# Altium PCB PCB v0.1.PcbDoc (part 1 of 2)
Units mm, origin at the board's own origin, x right, y up, seen from the top; angles counter-clockwise.
Board outline 36.5 x 36.5 mm, 4 copper layers (Top Layer, Mid Layer 1, Mid Layer 2, Bottom Layer), stack 1.17 mm thick; 152 components, 97 nets, 495 pads, 776 vias.
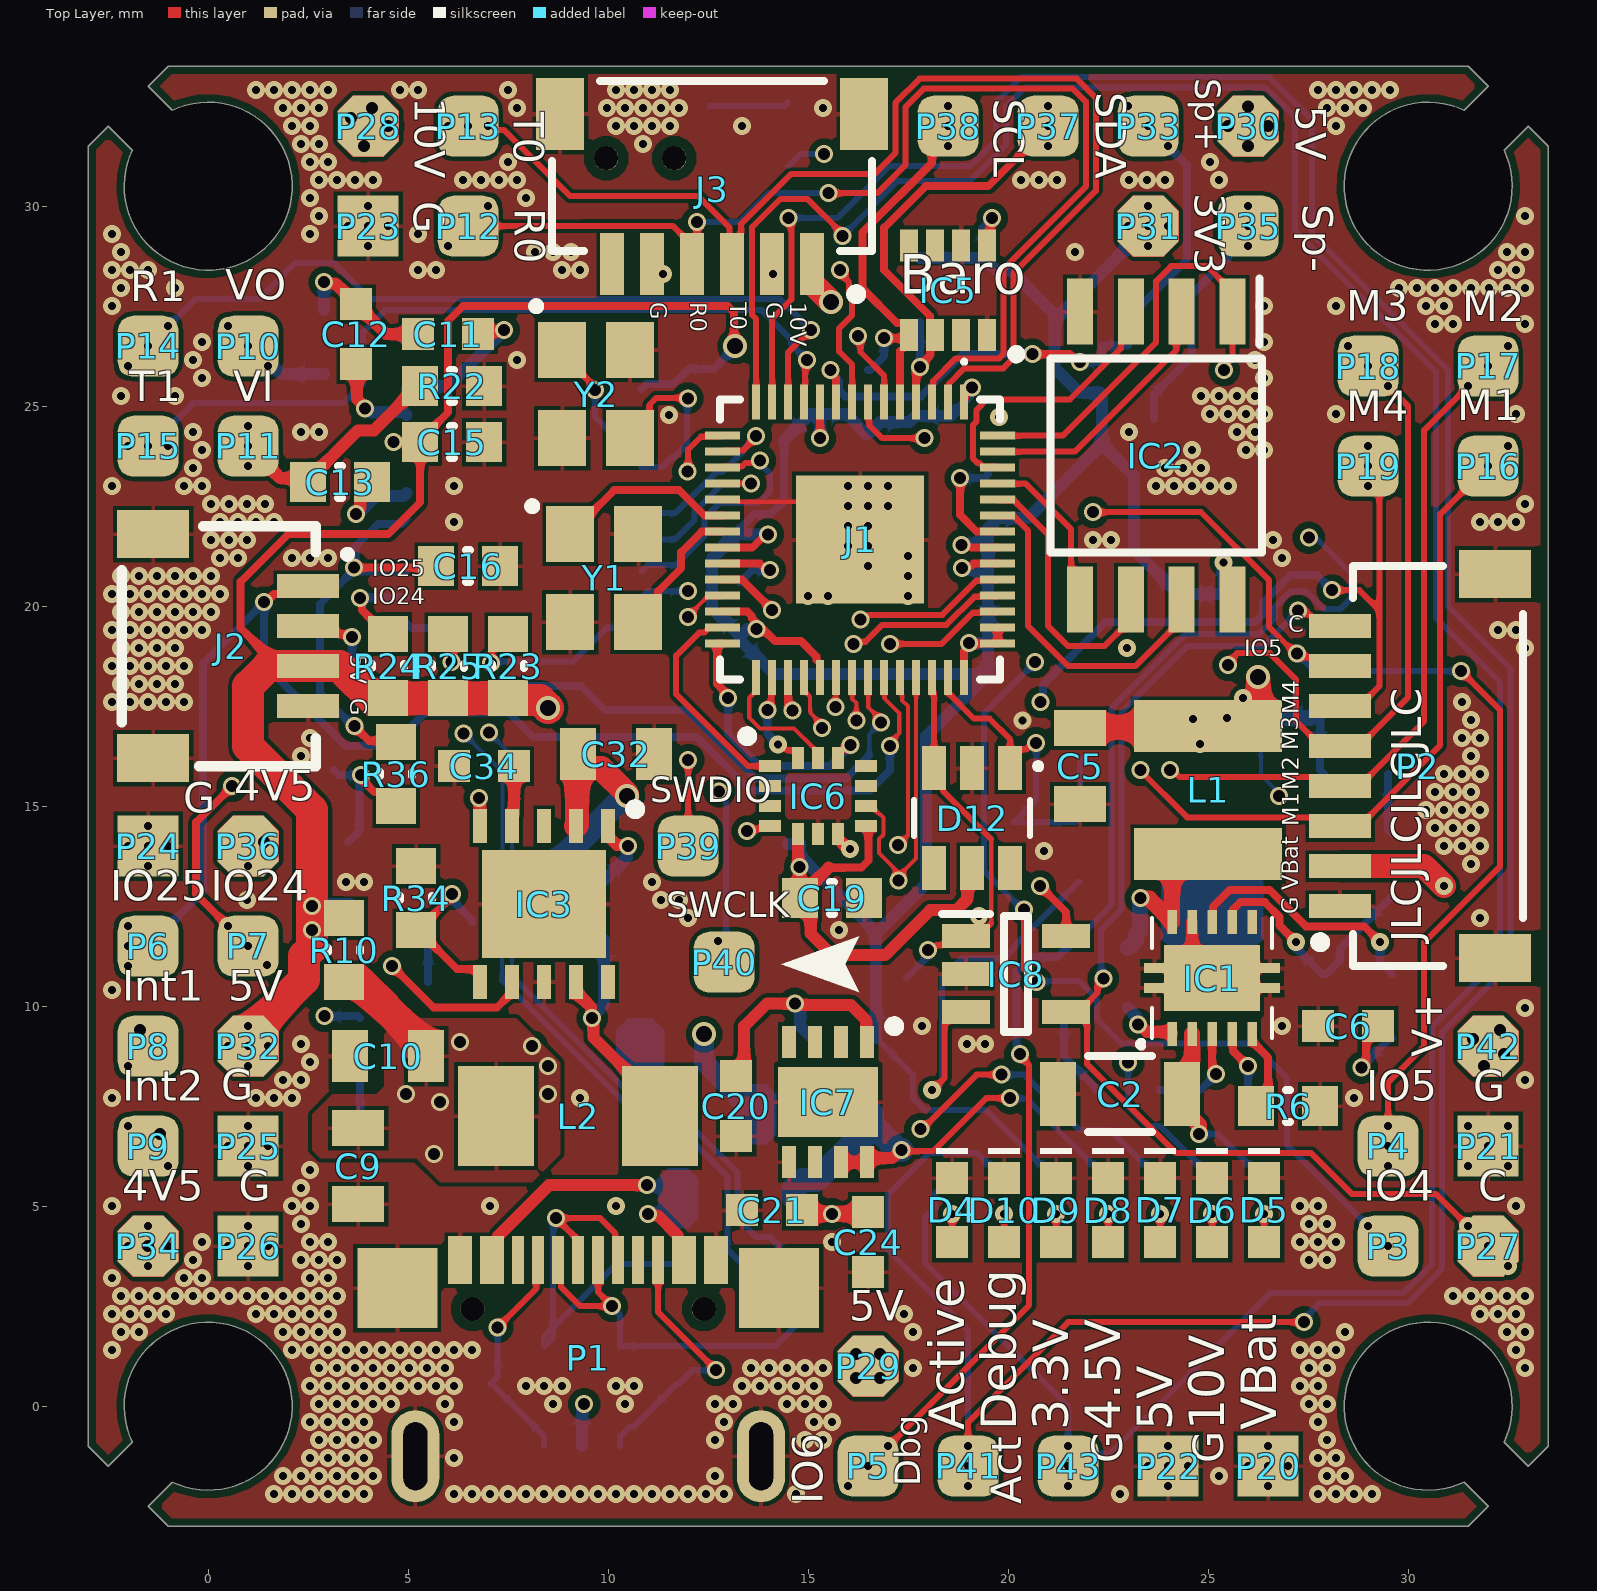
[diagram p0: Top Layer view]
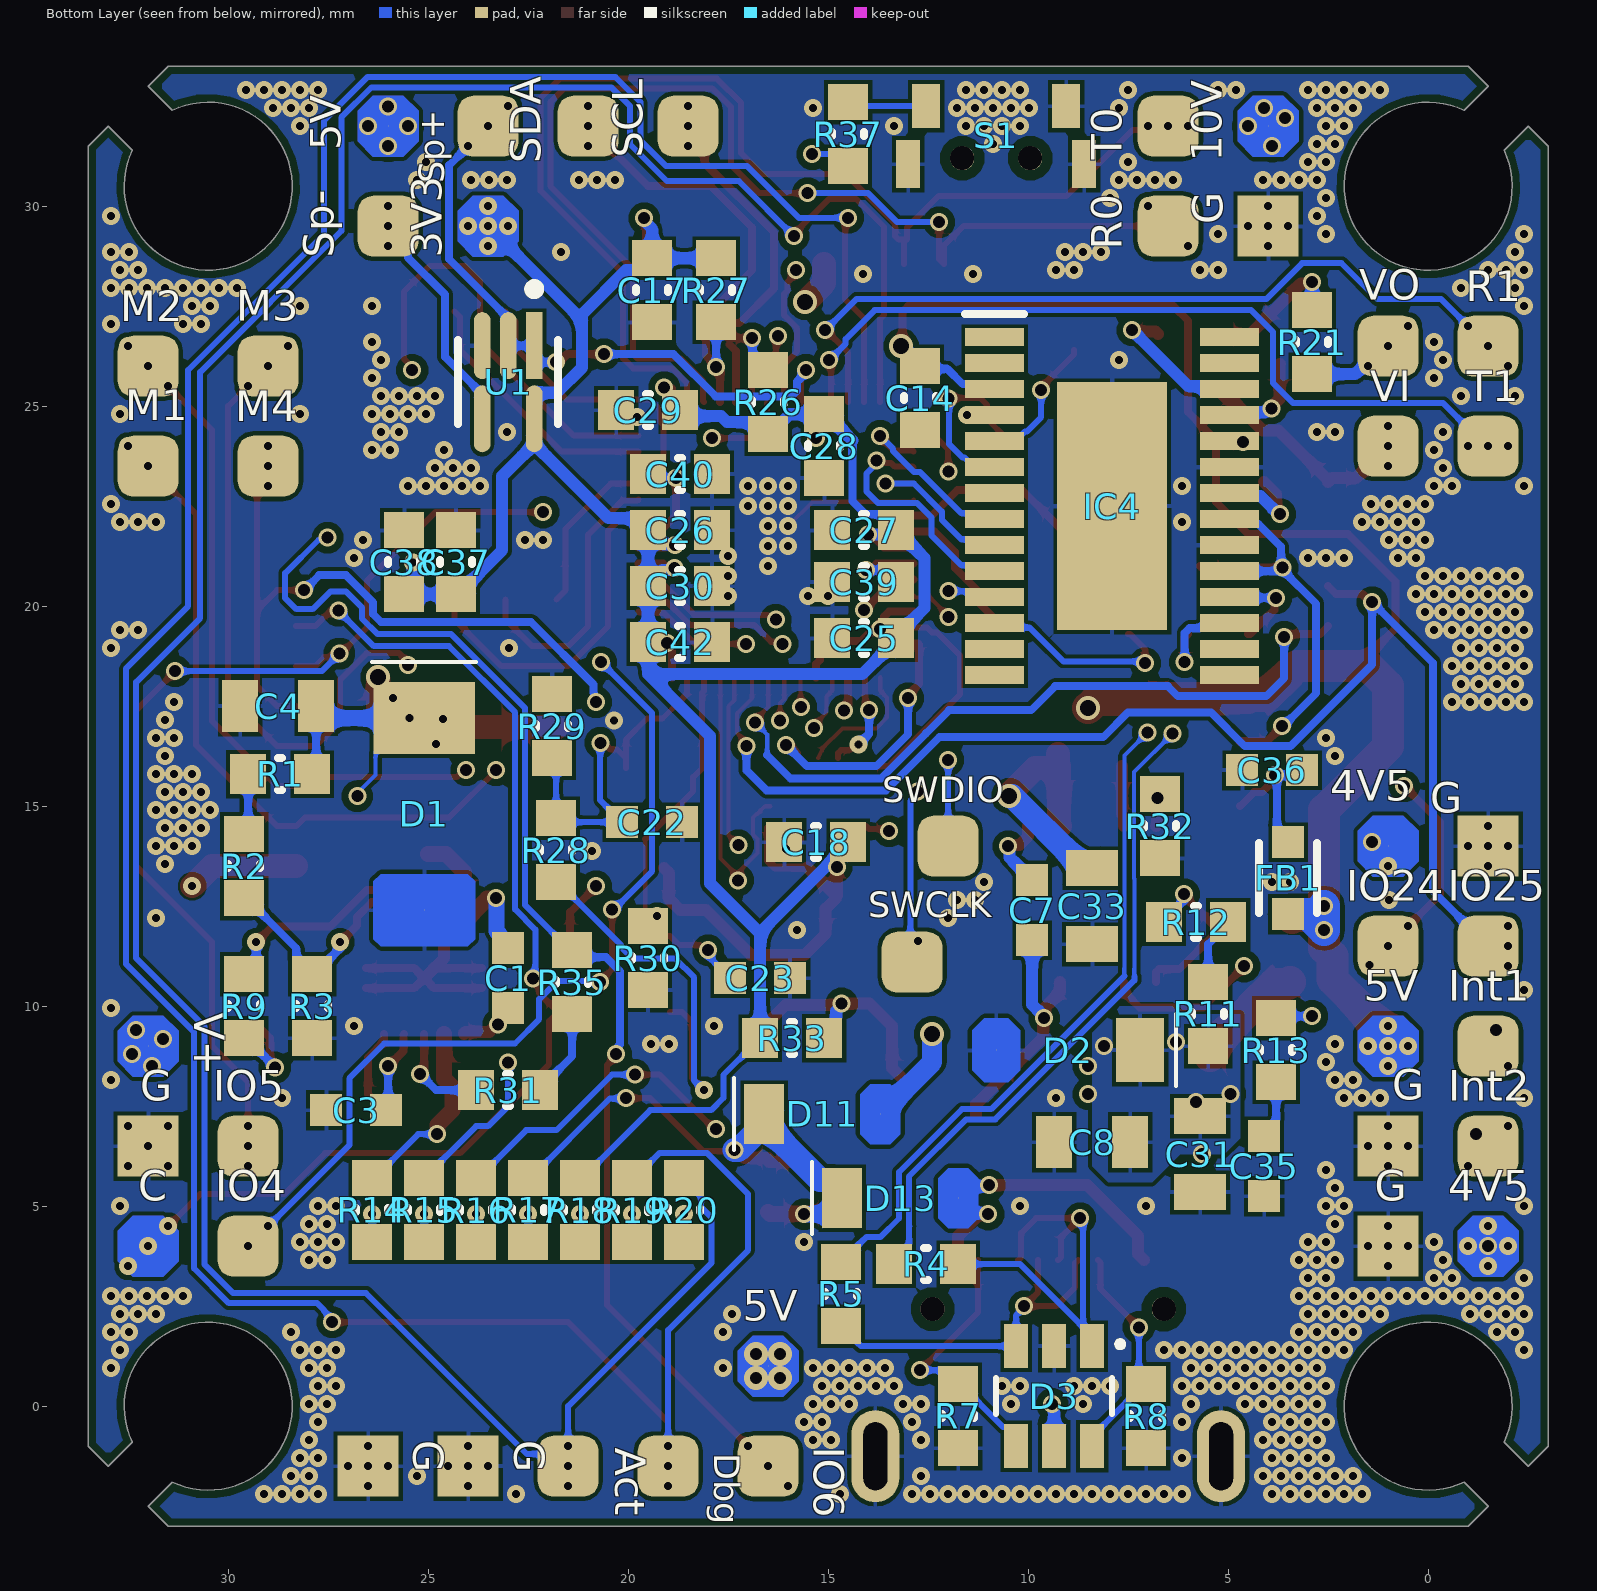
[diagram p1: Bottom Layer view, seen from below]
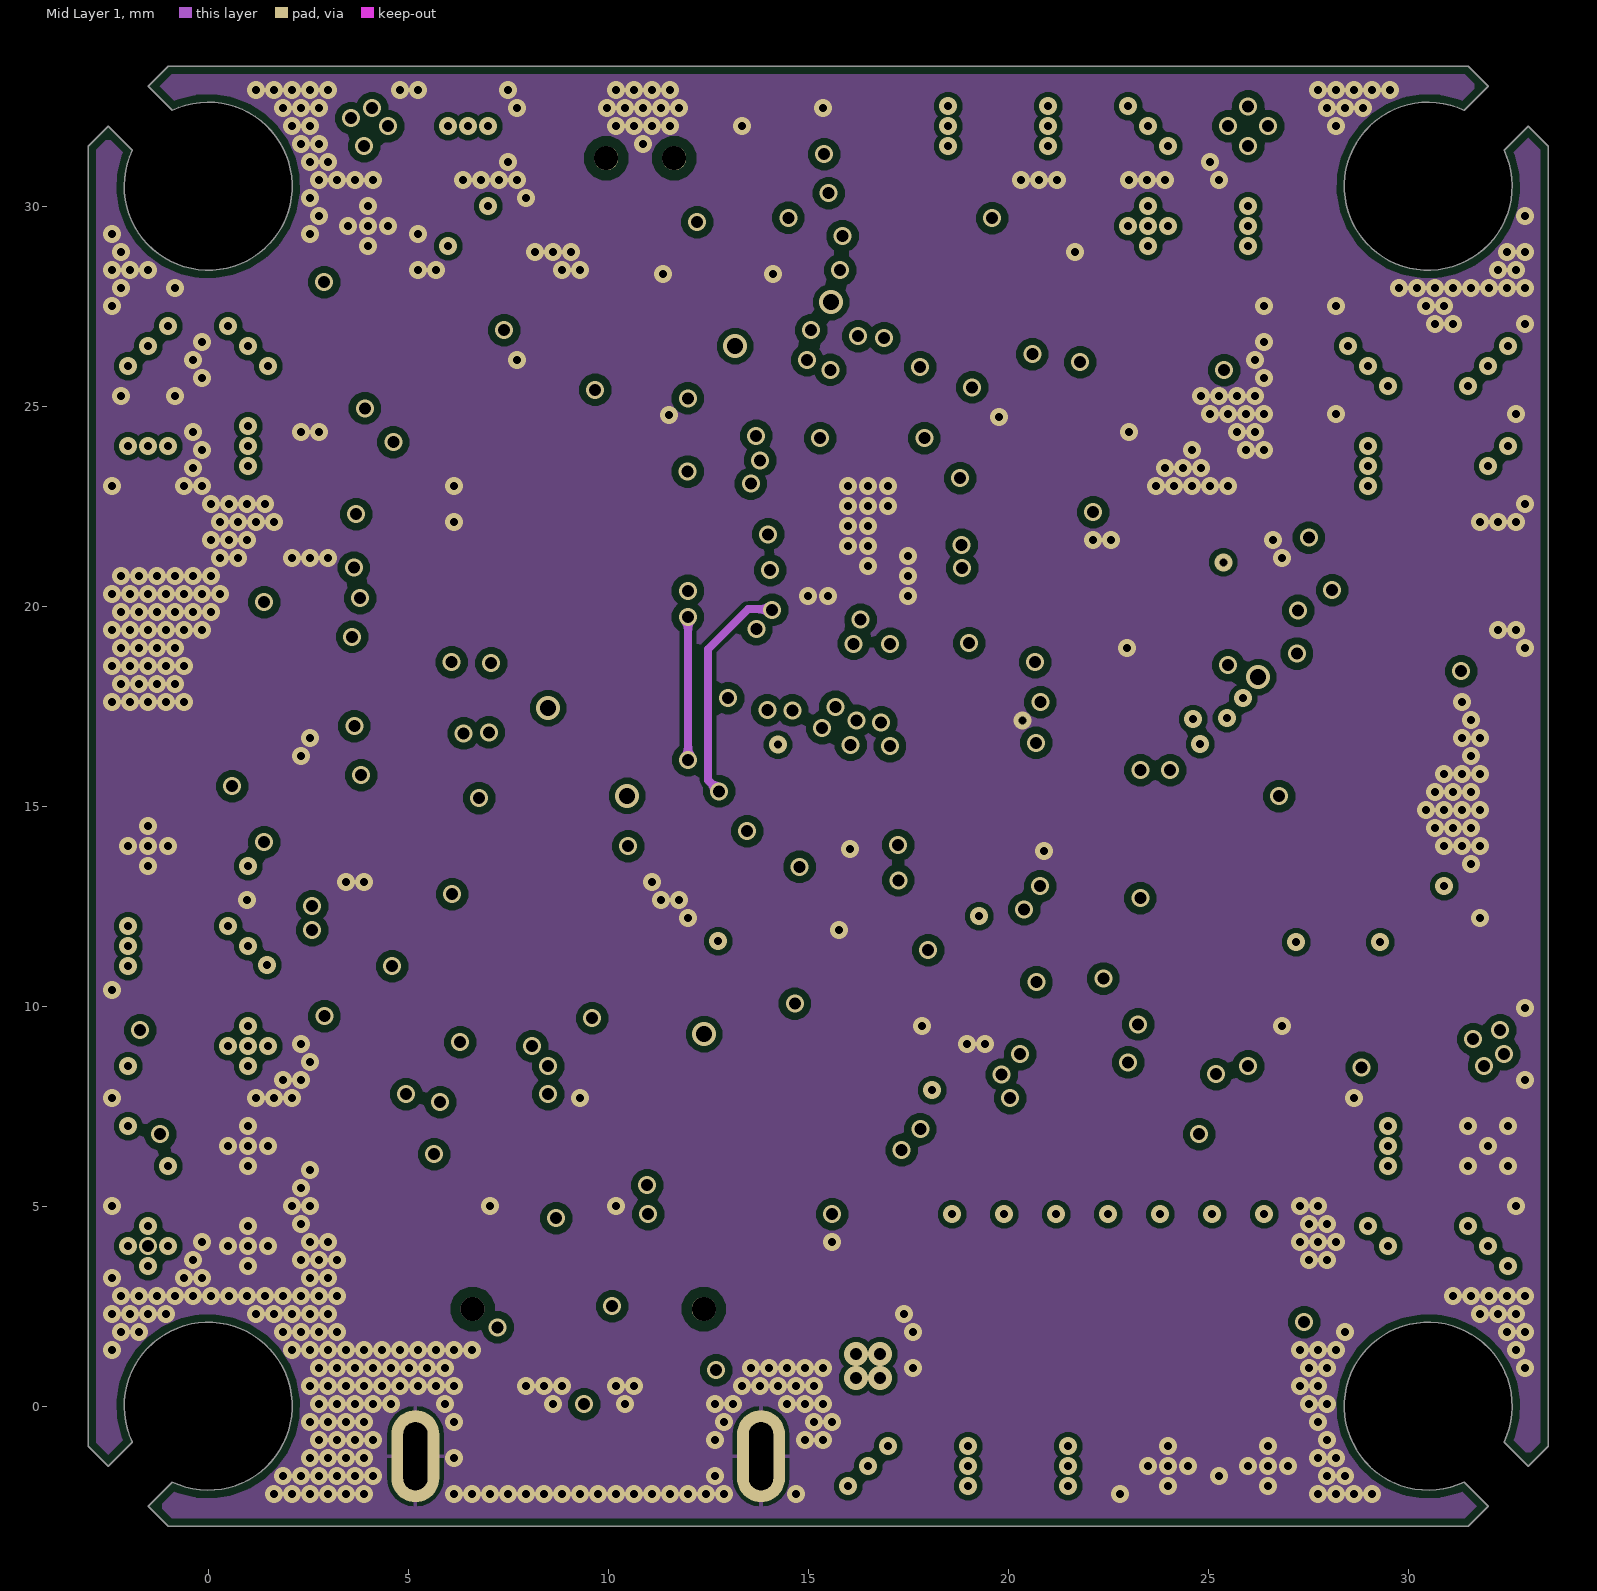
[diagram p2: Mid Layer 1]
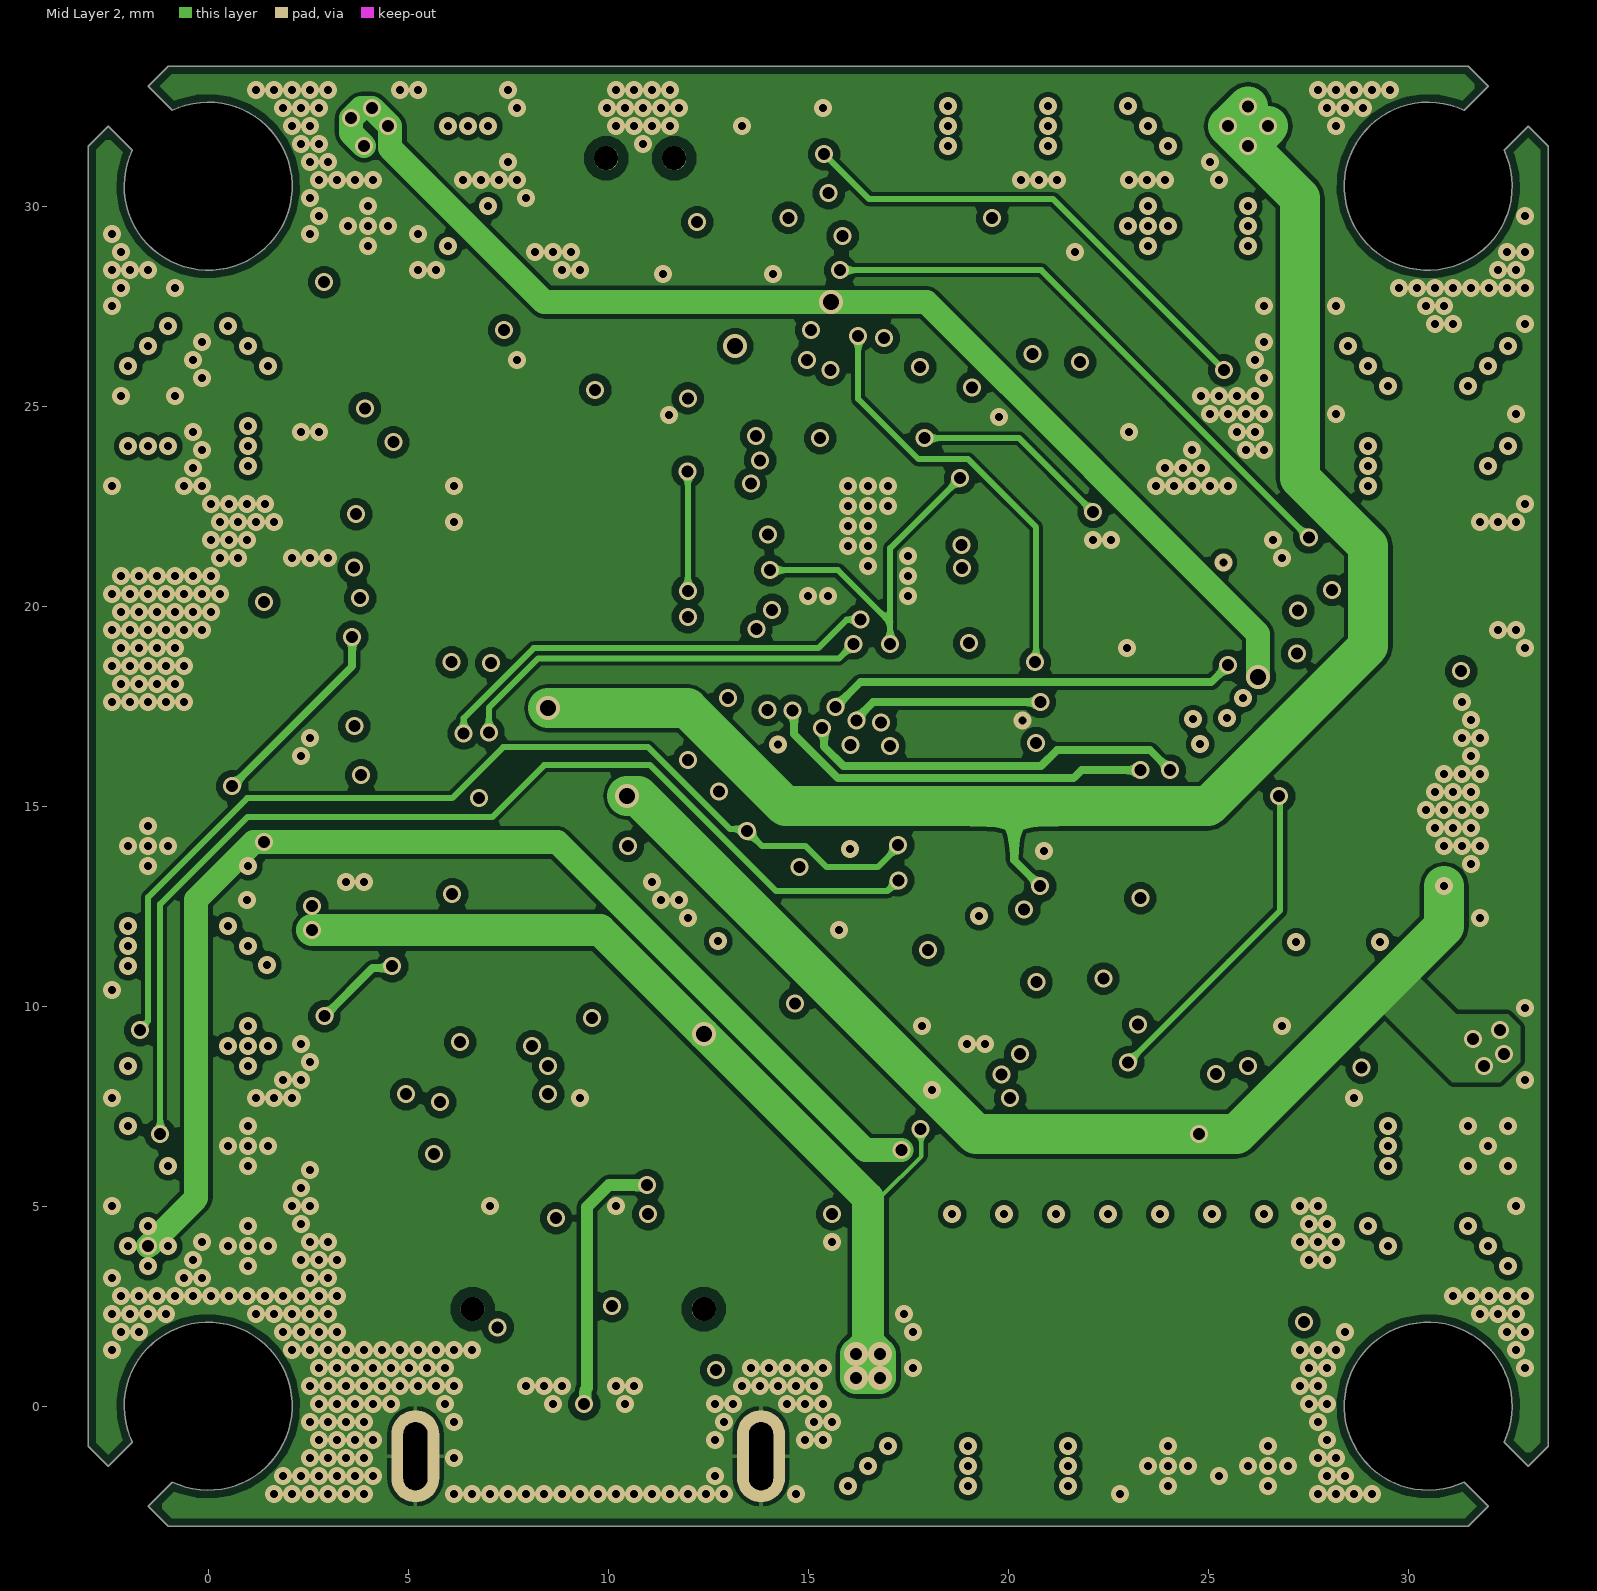
[diagram p3: Mid Layer 2]

## Layer stack, top to bottom
Top Solder: solder mask 0.0127, Solder Resist, Dk 3.8
Top Layer: signal copper 0.035
Dielectric 1: prepreg 0.2, 7628, Dk 4.6
Mid Layer 1: signal copper 0.0175
Core: core 0.665, FR-4, Dk 4.5
Mid Layer 2: signal copper 0.0175
Dielectric 2: prepreg 0.2, 7628, Dk 4.6
Bottom Layer: signal copper 0.035
Bottom Solder: solder mask 0.0127, Solder Resist, Dk 3.8

## Board outline
-1.5,-2.5 -1,-3 31.5,-3 32,-2.5 31.398,-1.898 cw(c30.5,0) 32.398,-0.898 33,-1.5 33.5,-1 33.5,31.5 33,32 32.398,31.398 cw(c30.5,30.5) 31.398,32.398 32,33 31.5,33.5 -1,33.5 -1.5,33 -0.898,32.398 cw(c0,30.5) -1.898,31.398 -2.5,32 -3,31.5 -3,-1 -2.5,-1.5 -1.898,-0.898 cw(c0,0) -0.898,-1.898

## Design rules (kind name [scope] priority, off if disabled: settings)
BoardOutlineClearance [All] p1: gap=0.2 ignorepadtopadclearanceinfootprint=FALSE
Clearance [All] p1: gap=0.102 ignorepadtopadclearanceinfootprint=FALSE except(0.127: Arc-Via Track-Via SMDPad-Via THPad-Via Via-Via Via-Fill Via-Poly Via-Region Via-Text; 0.25: Arc-Hole Track-Hole SMDPad-Hole THPad-Hole Via-Hole Fill-Hole Poly-Hole Region-Hole Text-Hole)
ComponentClearance [All] p1: gap=0.102 collisioncheckmode=3 verticalgap=0.102 showdistances=TRUE
DiffPairsRouting [All] p1: maxlimit=0.102 minlimit=0.102 mostfreqgap=0.102 toplayer_minwidth=0.102 toplayer_maxwidth=1816.048 toplayer_prefwidth=0.102 midlayer1_minwidth=0.102 midlayer1_maxwidth=1816.048 midlayer1_prefwidth=0.102 midlayer2_minwidth=0.102 midlayer2_maxwidth=1816.048 midlayer2_prefwidth=0.102 bottomlayer_minwidth=0.102 bottomlayer_maxwidth=1816.048 bottomlayer_prefwidth=0.102 maxuncoupledlength=12.7
Height [All] p1: minheight=0 maxheight=1816.048 prefheight=12.7
HoleSize [All] p1: absolutevalues=TRUE maxlimit=6.3 minlimit=0.2 maxpercent=80.000 minpercent=20.000
HoleToHoleClearance [All] p1: gap=0.25 allowstackedmicrovias=FALSE
MinimumAnnularRing [All] p1: minimumring=0.074
MinimumSolderMaskSliver [All] p1: minsoldermaskwidth=0
PlaneClearance [All] p1: clearance=0.102
PlaneConnect PlaneConnectPowerPads [InPadClass('PowerPads')] p1: planeconnectstyle=Direct reliefexpansion=0.508 reliefentries=4 reliefconductorwidth=0.254 reliefairgap=0.254
PlaneConnect [All] p2: pad.planeconnectstyle=Relief pad.reliefexpansion=0.3 pad.reliefentries=4 pad.reliefconductorwidth=0.102 pad.reliefairgap=0.102 via.planeconnectstyle=Direct via.reliefexpansion=0.3 via.reliefentries=4 via.reliefconductorwidth=0.127 via.reliefairgap=0.127
PolygonConnect PolygonConnectPowerPads [All vs (InPadClass('PowerPads'))] p1: connectstyle=Direct reliefconductorwidth=0.254 reliefentries=4 polygonreliefangle="90 Angle" airgapwidth=0.254
PolygonConnect [All] p2: thpad.connectstyle=Relief thpad.reliefconductorwidth=0.102 thpad.reliefentries=4 thpad.polygonreliefangle="90 Angle" thpad.airgapwidth=0.102 smdpad.connectstyle=Relief smdpad.reliefconductorwidth=0.102 smdpad.reliefentries=4 smdpad.polygonreliefangle="90 Angle" smdpad.airgapwidth=0.102 via.connectstyle=Direct via.reliefconductorwidth=0.127 via.reliefentries=4 via.polygonreliefangle="90 Angle" via.airgapwidth=0.127
RoomDefinition OSD [InComponentClass('OSD')] p1: confinementstyle=ConfineIn formatcopy=TRUE lockcomponents=FALSE outline 1.2,16.7 13.9,16.7 13.9,29.1 1.2,29.1
RoomDefinition Flash [InComponentClass('Flash')] p2: confinementstyle=ConfineIn formatcopy=TRUE lockcomponents=FALSE outline 27.2,18.6 27.2,29.1 20.4,29.1 20.4,18.6
RoomDefinition Barometer [InComponentClass('Barometer')] p3: confinementstyle=ConfineIn formatcopy=TRUE lockcomponents=FALSE outline 15,23.3 20.7,23.3 20.7,29.8 15,29.8
RoomDefinition "Voltage Regulators" [InComponentClass('Voltage Regulators')] p4: confinementstyle=ConfineIn formatcopy=TRUE lockcomponents=FALSE outline 2.433,2.5 30.5,2.5 30.5,18.75 2.433,18.75
RoomDefinition LEDs [InComponentClass('LEDs')] p5: confinementstyle=ConfineIn formatcopy=TRUE lockcomponents=FALSE outline 17.8,-0.9 27.2,-0.9 27.2,6.7 17.8,6.7
RoomDefinition USB [InComponentClass('USB')] p6: confinementstyle=ConfineIn formatcopy=TRUE lockcomponents=FALSE outline 2.75,-3.75 17.5,-3.75 17.5,5.45 2.75,5.45
RoomDefinition RP2040 [InComponentClass('RP2040')] p7: confinementstyle=ConfineIn formatcopy=TRUE lockcomponents=FALSE outline 7.3,15.4 21.7,15.4 21.7,26.6 7.3,26.6
RoomDefinition Gyro [InComponentClass('Gyro')] p8: confinementstyle=ConfineIn formatcopy=TRUE lockcomponents=FALSE outline 12.8,11.9 17.9,11.9 17.9,17.3 12.8,17.3
RoomDefinition "Voltage and Current Sensors" [InComponentClass('Voltage and Current Sensors')] p9: confinementstyle=ConfineIn formatcopy=TRUE lockcomponents=FALSE outline 15.25,9 22.75,9 22.75,18.554 15.25,18.554
RoutingVias [All] p1: holewidth=0.2 width=0.45 viastyle="Through Hole" minholewidth=0.2 minwidth=0.45 maxholewidth=6.3 maxwidth=6.55
SilkToSilkClearance [All] p1: silktosilkclearance=0
SilkToSolderMaskClearance [IsPad] p1: minsilkscreentomaskgap=0.102 clearancetoexposedcopper=TRUE
SolderMaskExpansion [All] p1: expansion=0.075 istentingtop=FALSE
Width [All] p1: maxlimit=1816.048 minlimit=0.102 preferedwidth=0.102
20 further rules are at their usual default settings.

## Classes and differential pairs
component class "Voltage Regulators": C1 C2 C3 C4 C5 C6 C7 C8 C9 C10 C20 C21 C24 C31 C32 C33 C34 C35 C36 D1 D2 D11 D13 FB1 IC1 IC3 IC7 L1 L2 R1 R2 R3 R6 R9 R10 R11 R12 R13 R31 R32 R33 R34 R35 R36
component class "Voltage and Current Sensors": C22 C23 D12 IC8 R28 R29 R30
component class USB: D3 P1 R4 R5 R7 R8
component class RP2040: C25 C26 C27 C28 C29 C30 C39 C40 C42 J1 Y1
component class OSD: C11 C12 C13 C14 C15 C16 IC4 R21 R22 R23 R24 R25 Y2
component class LEDs: D4 D5 D6 D7 D8 D9 D10 R14 R15 R16 R17 R18 R19 R20
component class Gyro: C18 C19 IC6
component class Flash: C37 C38 IC2
component class Connectors: J2 J3 P2 P3 P4 P5 P6 P7 P8 P9 P10 P11 P12 P13 P14 P15 P16 P17 P18 P19 P20 P21 P22 P23 P24 P25 P26 P27 P28 P29 P30 P31 P32 P33 P34 P35 P36 P37 P38 P39 P40 P41 P42 P43 R37 S1 U1
component class Barometer: C17 IC5 R26 R27

## Components (designator, comment, footprint, x,y, rotation, side; value= is the part's Value field where it differs from the comment)
C1 "100nF" WCAP-CSGP_0603_L1.6W0.8H0.8_Reflow 23,10.7 r90 bottom
C2 "3.3µF" WCAP-CSGP_1206_L3.2W1.6H1.6 22.8,7.8 r0 top
C3 "10nF" WCAP-CSGP_0603_L1.6W0.8H0.8_Reflow 26.8,7.4 r180 bottom
C4 "4.7µF" WCAP-CSGP_0805_L2W1.25H1.25 28.75,17.5 r180 bottom
C5 "4.7µF" WCAP-CSGP_0805_L2W1.25H1.25 21.8,16 r90 top
C6 "2.5pF" WCAP-CSGP_0603_L1.6W0.8H0.8_Reflow 28.5,9.5 r0 top
C7 "100nF" WCAP-CSGP_0603_L1.6W0.8H0.8_Reflow 9.9,12.4 r270 bottom
C8 "4.7µF" WCAP-CSGP_0805_L2W1.25H1.25 8.4,6.6 r180 bottom
C9 "4.7µF" WCAP-CSGP_0805_L2W1.25H1.25 3.75,6 r90 top
C10 "4.7µF" WCAP-CSGP_0805_L2W1.25H1.25 4.5,8.75 r0 top
C11 "10µF" WCAP-CSGP_0603_L1.6W0.8H0.8_Reflow 6,26.8 r180 top
C12 "10µF" WCAP-CSGP_0603_L1.6W0.8H0.8_Reflow 3.7,26.8 r90 top
C13 "100n" CAPC0603(1608)55_N 3.3,23.1 r180 top
C14 "100n" CAPC0603(1608)55_N 12.7,25.2 r90 bottom
C15 "100n" CAPC0603(1608)55_N 6.1,24.1 r0 top
C16 "100n" CAPC0603(1608)55_N 6.5,21 r0 top
C17 "100n" CAPC0603(1608)55_N 19.4,27.9 r270 bottom
C18 "100n" CAPC0603(1608)55_N 15.3,14.1 r180 bottom
C19 "100n" CAPC0603(1608)55_N 15.6,12.7 r180 top
C20 "1µF" WCAP-CSGP_0603_L1.6W0.8H0.8_Reflow 13.2,7.5 r90 top
C21 "1µF" WCAP-CSGP_0603_L1.6W0.8H0.8_Reflow 14.1,4.9 r180 top
C22 "1µF" WCAP-CSGP_0603_L1.6W0.8H0.8_Reflow 19.4,14.6 r0 bottom
C23 "1µF" WCAP-CSGP_0603_L1.6W0.8H0.8_Reflow 16.7,10.7 r0 bottom
C24 "1µF" WCAP-CSGP_0603_L1.6W0.8H0.8_Reflow 16.5,4.1 r90 top
C25 "100n" CAPC0603(1608)55_N 14.1,19.2 r180 bottom
C26 "100n" CAPC0603(1608)55_N 18.7,21.9 r0 bottom
C27 "100n" CAPC0603(1608)55_N 14.1,21.9 r180 bottom
C28 "100n" CAPC0603(1608)55_N 15.1,24 r90 bottom
C29 "100n" CAPC0603(1608)55_N 19.5,24.9 r180 bottom
C30 "100n" CAPC0603(1608)55_N 18.7,20.5 r0 bottom
C31 "4.7µF" WCAP-CSGP_0805_L2W1.25H1.25 5.7,6.3 r90 bottom
C32 "2.2µF" WCAP-CSGP_0805_L2W1.25H1.25 10.2,16.3 r180 top
C33 "2.2µF" WCAP-CSGP_0805_L2W1.25H1.25 8.4,12.5 r90 bottom
C34 "10nF" WCAP-CSGP_0603_L1.6W0.8H0.8_Reflow 6.9,16 r0 top
C35 "1nF" WCAP-CSGP_0603_L1.6W0.8H0.8_Reflow 4.1,6 r90 bottom
C36 "1µF" WCAP-CSGP_0603_L1.6W0.8H0.8_Reflow 3.9,15.9 r180 bottom
C37 "100n" CAPC0603(1608)55_N 24.3,21.1 r270 bottom
C38 "100n" CAPC0603(1608)55_N 25.6,21.1 r270 bottom
C39 "100n" CAPC0603(1608)55_N 14.1,20.6 r0 bottom
C40 "100n" CAPC0603(1608)55_N 18.7,23.3 r180 bottom
C42 "100n" CAPC0603(1608)55_N 18.7,19.1 r0 bottom
D1 "SSL36BF" SSL36BF 25.1,14.8 r90 bottom
D2 "SS54F" SS54F 9,8.9 r180 bottom
D3 "3.3V" WE-TVS_SOT23-6L 9.35,0.25 r0 bottom
D4 "Yellow, 2V, 140°" WL-SMCW_0603_150060xx75000 18.6,4.9 r270 top
D5 "Red, 2V, 140°" WL-SMCW_0603_150060xx75000 26.4,4.9 r270 top
D6 "Amber, 2V, 140°" WL-SMCW_0603_150060xx75000 25.1,4.9 r270 top
D7 "Yellow, 2V, 140°" WL-SMCW_0603_150060xx75000 23.8,4.9 r270 top
D8 "Green, 3.3V" WL-SMCW_0603_150060xx75000 22.5,4.9 r270 top
D9 "Blue, 3.2V, 140°" WL-SMCW_0603_150060xx75000 21.2,4.9 r270 top
D10 "Blue, 3.2V, 140°" WL-SMCW_0603_150060xx75000 19.9,4.9 r270 top
D11 "SL16" SL16 15.15,7.3 r0 bottom
D12 "3.3V" WE-TVS_SOT23-6L 19.1,14.7 r180 top
D13 "SL16" SL16 13.2,5.2 r0 bottom
FB1 "BLM18EG601SN1D" FP-BLM18-0_15-t0_8-MFG 3.5,13.2 r90 bottom
IC1 "TPS54260DRCR" TPS54040ADRCT 25.1,10.7 r90 top
IC2 "W25Q16JVSSIQ" SOIC127P790X216-8N 23.702,23.763 r270 top
IC3 "TPS54561-Q1" SON80P400X400X80-11N 8.4,12.55 r270 top
IC4 "AT7456E" SOP65P640X120-29N 7.9,22.5 r180 bottom
IC5 "GZP6816D" GZP6816D 18.5,27.9 r270 top
IC6 "BMI270" QFN50P300X250X87-14N 15.25,15.25 r0 top
IC7 "TPS78533QWDRBRQ1" SON65P300X300X100-9N-D 15.5,7.6 r270 top
IC8 "INA139NA_250" SOT95P280X145-5N 20.2,10.8 r0 top
J1 "SC0914_13_" SC091413 16.3,21.662 r270 top
J2 "SM04B-SRSS-TB_LF__SN_" SM04B-SRSS-TB(LFSN) -2.161,22 r270 top
J3 "SM06B-SRSS-TB(LF)(SN)" JST-SM06B-SRSS-TB_V 12.6,31 r180 top
L1 "MAI4020S-4R7MT" MAI4020S-4R7MT 25,15.4 r180 top
L2 "FAUL0518-2R2MT" FAUL0518-2R2MT 9.25,7.25 r270 top
P1 "GT-USB-7047B" GT-USB-7047B 9.5,-1.25 r0 top
P2 "SM08B-SRSS-TB(LF)(SN)" JST-SM08B-SRSS-TB_V 30.75,16 r90 top
P3 "solder pad rounded double sided" "solder pad double sided rounded - duplicate" 29.5,4 r0 top
P4 "solder pad rounded double sided" "solder pad double sided rounded - duplicate" 29.5,6.5 r0 top
P5 "solder pad rounded double sided" "solder pad double sided rounded - duplicate" 16.5,-1.5 r0 top